# Altium PCB FMC_ADC_130M_16B_4CHv4.PcbDoc (part 8 of 8)
Units mm, origin at the board's own origin, x right, y up, seen from the top; angles counter-clockwise.
Board outline 76.78 x 69 mm, 8 copper layers (Top Layer, GND1, L3, GND2, L5, GND3, POWER, Bottom Layer), stack 1.329 mm thick; 397 components, 449 nets, 2112 pads, 1765 vias.
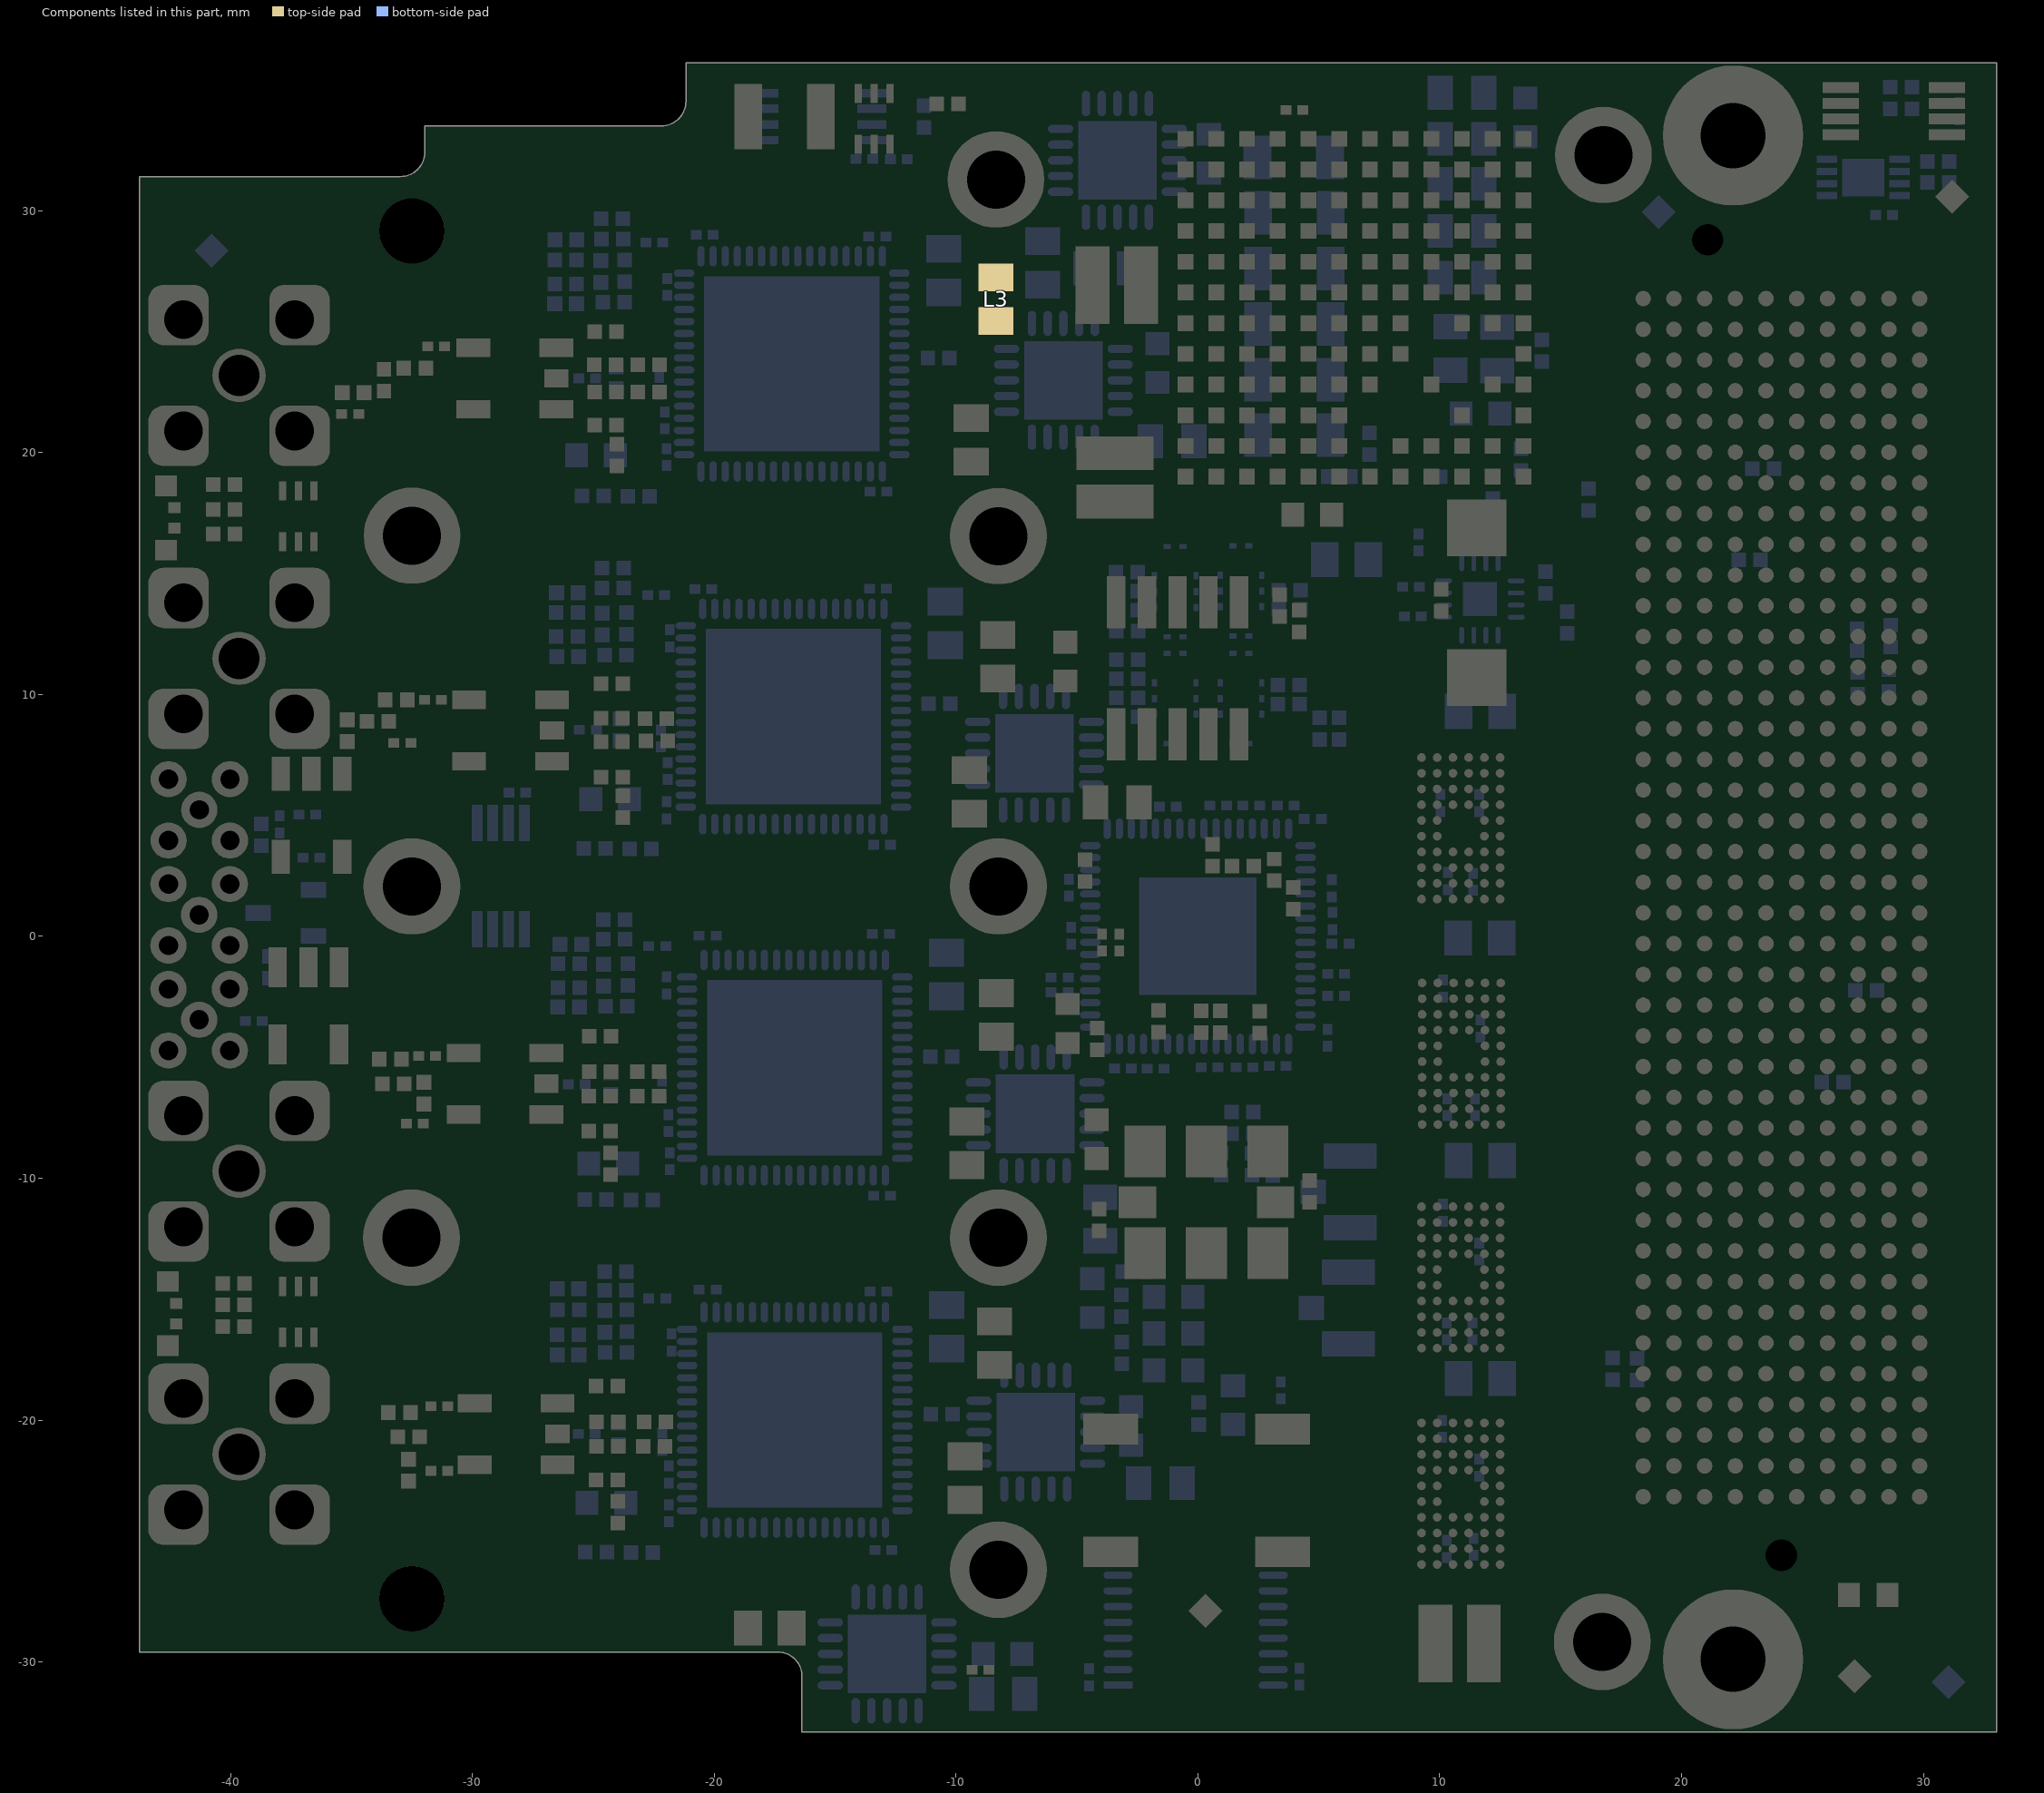
[diagram p14: the components of this part, seen from the top]

## Other copper (continued)
L3:
  pour cut-out: -43.434,27.5 -35.2,27.5 -35.2,18.791 -43.434,18.791
  pour cut-out: -43.434,15.8 -35.2,15.8 -35.2,7.091 -43.434,7.091
  pour cut-out: -43.434,-5.4 -35.2,-5.4 -35.2,-14.109 -43.434,-14.109
  pour cut-out: -43.434,-17.1 -35.2,-17.1 -35.2,-25.809 -43.434,-25.809
  pour cut-out: -39.653,24.193 cw(c-39.653,23.153) -38.917,23.888 -38.914,23.886 cw(c-39.522,23.279) -38.663,23.279 -38.663,23.105 cw(c-39.53,23.105) -38.917,22.491 cw(c-39.653,23.227) -39.653,22.187 -39.762,22.187 cw(c-39.762,22.967) -40.314,22.415 -40.411,22.512 cw(c-39.847,23.076) -40.644,23.076 -40.644,23.178 cw(c-39.604,23.178) -40.339,23.914 cw(c-39.665,23.239) -39.665,24.193
  pour cut-out: -39.653,12.493 cw(c-39.653,11.453) -38.917,12.188 -38.914,12.186 cw(c-39.522,11.579) -38.663,11.579 -38.663,11.405 cw(c-39.53,11.405) -38.917,10.791 cw(c-39.653,11.527) -39.653,10.487 -39.762,10.487 cw(c-39.762,11.267) -40.314,10.715 -40.411,10.812 cw(c-39.847,11.376) -40.644,11.376 -40.644,11.478 cw(c-39.604,11.478) -40.339,12.214 cw(c-39.665,11.539) -39.665,12.493
  pour cut-out: -39.653,-8.707 cw(c-39.653,-9.747) -38.917,-9.012 -38.914,-9.014 cw(c-39.522,-9.621) -38.663,-9.621 -38.663,-9.795 cw(c-39.53,-9.795) -38.917,-10.409 cw(c-39.653,-9.673) -39.653,-10.713 -39.762,-10.713 cw(c-39.762,-9.933) -40.314,-10.485 -40.411,-10.388 cw(c-39.847,-9.824) -40.644,-9.824 -40.644,-9.722 cw(c-39.604,-9.722) -40.339,-8.986 cw(c-39.665,-9.661) -39.665,-8.707
  pour cut-out: -39.653,-20.407 cw(c-39.653,-21.447) -38.917,-20.712 -38.914,-20.714 cw(c-39.522,-21.321) -38.663,-21.321 -38.663,-21.495 cw(c-39.53,-21.495) -38.917,-22.109 cw(c-39.653,-21.373) -39.653,-22.413 -39.762,-22.413 cw(c-39.762,-21.633) -40.314,-22.185 -40.411,-22.088 cw(c-39.847,-21.524) -40.644,-21.524 -40.644,-21.422 cw(c-39.604,-21.422) -40.339,-20.686 cw(c-39.665,-21.361) -39.665,-20.407
Bottom Layer:
  rectangle net GND: 1.196,11.711 2.33,12.393
  rectangle net GND: -1.48,11.688 -0.371,12.408
  rectangle net GND: -1.768,15.779 -0.391,16.051
  rectangle net GND: 1.288,15.689 2.27,16.118
  rectangle net P4V0: 1.168,17.297 3.15,19.914
  rectangle net GND: -0.305,19.329 1.016,20.117
  rectangle net P4V0: -2.972,26.921 -1.524,28.804
  rectangle net P1V8: -10.897,-3.48 -10.058,-2.997
  rectangle net NetC19C_2: -10.947,-1.702 -9.906,-1.168
  rectangle net NetC97_2: -10.516,-9.195 -9.754,-5.969
  rectangle net P1V8: -10.846,-19.177 -10.058,-16.891
  rectangle net P1V8: -10.744,10.312 -9.525,12.065
  rectangle net P1V8: -11.735,24.968 -9.779,27.102
  rectangle net NetC19A_2: -12.471,28.62 -10.185,29.845
  rectangle net NetC19A_2: -13.106,17.374 -12.268,18.39
  rectangle net NetC19A_2: -13.589,29.312 -12.624,29.82
  rectangle net NetC77_2: -10.109,21.539 -8.611,23.19
  rectangle net NetC77_2: -10.135,20.828 -8.611,21.539
  rectangle net NetC77_2: -10.135,20.447 -6.68,20.828
  rectangle net NetC77_2: -9.296,23.063 -8.611,24.994
  rectangle net P4V0: 1.168,19.914 3.683,33.477
  rectangle net GND: 4.166,19.685 6.629,33.477
  rectangle net P12V0: 10.744,26.086 13.64,33.503
  rectangle net GND: 8.712,26.213 10.338,34.95
  rectangle net P12V0: 11.252,33.401 12.319,34.925
  rectangle net P4V0_2: -5.563,-11.608 -3.327,-10.211
  rectangle net P4V0_2: -5.969,-12.167 -5.004,-10.897
  rectangle net P4V0_2: -5.334,-24.308 -2.769,-22.809
  rectangle net P4V0_2: -4.623,-23.292 -2.667,-21.895
  rectangle net NetC91_2: -10.541,6.35 -9.906,9.144
  rectangle net GND: -1.265,11.695 -0.615,12.384
  rectangle net GND: 1.453,11.811 2.103,12.41
  rectangle net GND: 1.453,11.695 2.103,12.41
  rectangle net GND: -1.676,7.214 -0.615,7.965
  rectangle net GND: 1.453,7.163 2.032,7.965
  rectangle net NetC78_2: 3.124,14.961 4.877,15.621
  rectangle net P3V3_CLK: 7.493,15.215 8.509,16.713
  rectangle net P3V3_CLK: 3.302,11.227 5.867,11.76
  region net GND: -13.358,-25.806 -13.354,-25.81 -13.221,-25.81 -13.185,-25.773 -13.185,-25.557 -13.204,-25.538 -13.532,-25.538 -13.564,-25.57 -13.564,-25.719 -13.539,-25.743 -13.539,-25.744
  region net GND: -4.529,-29.83 -4.312,-29.83 -4.294,-29.848 -4.294,-30.075 -4.319,-30.101 -4.657,-30.101 -4.697,-30.06 -4.697,-29.836 -4.681,-29.82
  region net NetOSC2_4: 1.93,-10.317 1.931,-10.315 1.931,-10.051 2.085,-10.051 2.132,-10.098 2.123,-10.107 2.123,-10.177 2.119,-10.177 1.993,-10.302
  region net FUNCTION: -4.761,4.138 -4.72,4.097 -4.72,3.863 -4.487,3.863 -4.444,3.906 -4.444,4.004 -4.459,4.004 -4.652,4.197
  region net GND: -4.677,-0.345 -4.677,-0.542 -4.74,-0.542 -4.827,-0.456 -4.825,-0.454 -4.825,-0.289 -4.725,-0.289 -4.68,-0.334
  region net GND: -25.105,-23.841 -24.865,-23.841 -24.568,-24.137 -24.568,-24.328 -24.72,-24.328 -25.135,-23.914
  region net GND: -21.741,-22.378 -21.565,-22.378 -21.548,-22.396 -21.658,-22.506 -21.707,-22.506
  region net GND: -21.762,-7.848 -21.614,-7.848 -21.608,-7.853 -21.69,-7.935 -21.73,-7.935
  region net GND: -23.668,-10.381 -23.665,-10.384 -23.665,-10.646 -23.301,-10.646 -23.27,-10.615 -23.27,-10.384
  region net GND: -24.632,5.183 -24.632,5.134 -24.586,5.088 -24.586,4.978 -24.632,4.978 -24.667,4.943 -24.876,5.152 -24.876,5.201
  region net GND: -22.045,21.209 -22.044,21.21 -21.766,21.21 -21.772,21.204 -21.772,21.145 -21.827,21.145 -21.856,21.116
  region net GND: -2.996,24.289 -2.055,24.289 -1.939,24.405 -1.939,24.791 -2.104,24.957 -2.614,24.957 -2.869,24.702 -2.869,24.39
  region net RF5: -1.157,15.341 -1.029,15.341 -0.98,15.389 -0.98,15.459
  region net ADC1_CLK_P: -3.617,14.066 -3.623,14.061 -3.802,14.061 -3.841,14.1 -3.721,14.22 -3.638,14.22
  region: -27.635,23.089
  region: -27.635,23.089
  region: -27.635,23.089
  region: -27.635,23.089
  region net P3V3_ADC2: -20.504,13.821 -20.504,14.081 -20.591,14.168 -20.649,14.168 -20.649,13.842 -20.619,13.812 -20.616,13.815 -20.501,13.815
  region net SDA: 29.404,32.268 29.406,32.267 29.939,32.267 29.939,31.973 29.936,31.97 29.412,31.97
  region net SCL: 29.37,31.473 29.377,31.466 29.538,31.466 29.538,31.564 29.54,31.566 29.538,31.569 29.373,31.569 29.373,31.475 29.379,31.469
  region net GND: 6.409,-2.655 6.265,-2.655 6.223,-2.613 6.223,-2.563 6.364,-2.563 6.403,-2.603
  region net GND: 5.718,1.212 5.72,1.21 5.874,1.21 5.874,1.093 5.865,1.084 5.725,1.084 5.725,1.203 5.732,1.21
  region net GND: 9.319,16.795 9.319,17.065 9.23,17.154 8.987,17.154 8.919,17.086 8.919,16.834
  region net GND: 13.874,34.868 14.238,34.868 14.482,34.623 14.482,34.127 14.378,34.023 14.044,34.023 13.871,34.196 13.871,34.364
  region net GND: -5.394,25.422 -5.394,26.102 -5.711,26.42 -6.096,26.42 -6.218,26.298 -6.218,25.886 -6.035,25.703 -5.755,25.703 -5.709,25.657
GND1 (plane layer: these items are gaps in the copper):
  pour cut-out: -37.567,-7.01 -36.703,-6.452 -36.068,-5.004 -35.064,-4 -30,-4 -30.017,-4.017 -30.017,-8.509 -30.023,-8.509 -30.048,-8.534 -30.048,-9.449 -30.958,-9.449 -31.344,-9.835 -33.401,-9.835 -35.311,-7.925 -37.897,-7.772
  pour cut-out: -30.48,10.922 -30.053,10.518 -30.053,5.999 -30.048,5.994 -32.278,5.994 -33.599,7.315 -35.611,7.315 -36.093,7.798 -37.084,9.373 -38.049,9.576 -33.02,11.938
  pour cut-out: -33.452,12.598 -33.96,13.106 -38.379,13.386 -38.938,13.589 -39.649,13.716 -40.894,13.513 -41.504,12.929 -41.961,12.446 -42.037,11.455 -41.961,10.541 -41.427,10.033 -41.173,9.754 -40.742,9.449 -39.599,9.271 -38.887,9.373 -38.405,9.423 -38.049,9.576 -33.02,11.938
  pour cut-out: -33.426,-9.856 -33.426,-7.856 -37.897,-7.772 -38.512,-7.95 -38.443,-7.968 -38.887,-7.595 -39.624,-7.518 -40.284,-7.569 -40.869,-7.747 -41.25,-8.052 -41.554,-8.357 -41.732,-8.992 -41.758,-9.652 -41.681,-10.389 -41.478,-10.998 -41.377,-11.176 -41.173,-11.303 -40.818,-11.608 -40.437,-11.786 -39.624,-11.887 -38.887,-11.709 -38.459,-11.385 -37.956,-10.882 -33.884,-10.882
  pour cut-out: -33.528,-22.657 -33.579,-18.339 -37.871,-19.05 -40.234,-19.304 -40.837,-19.677 -41.339,-20.179 -41.58,-20.777 -41.605,-21.412 -41.554,-22.022 -41.339,-22.593 -41.327,-22.593 -40.825,-23.095 -40.411,-23.393 -39.649,-23.546 -39.014,-23.419 -38.53,-23.095 -38.027,-22.591 -33.955,-22.591
  pour cut-out: -33.731,25.679 -33.757,21.615 -35.738,21.488 -37.541,21.488 -38.176,21.336 -39.003,20.955 -39.866,20.955 -40.894,21.184 -41.58,21.692 -41.935,22.403 -41.961,23.165 -41.91,23.952 -41.605,24.613 -41.427,24.816 -41.072,25.095 -40.208,25.425 -38.913,25.4 -38.075,25.298 -35.814,25.527
  pour cut-out: -33.731,25.679 -32.766,25.4 -28.194,25.4 -26.122,25.598 -23.622,25.598 -20.701,24.663 -20.701,21.412 -23.622,20.598 -32.122,20.598 -33.757,21.615
  pour cut-out: -33.553,9.518 -31.053,9.518 -30.48,10.922 -28.194,10.922 -26.053,11.018 -23.553,11.018 -20.632,10.084 -20.625,6.96 -23.553,6.018 -32.053,6.018 -33.553,7.518
  pour cut-out: -33.579,-18.339 -32.258,-18.034 -27.94,-18.034 -25.997,-18.065 -23.497,-18.065 -20.576,-18.999 -20.574,-22.327 -23.497,-23.065 -31.997,-23.065 -33.528,-22.657
  pour cut-out: -33.5,-5 -31,-5 -30,-4 -26.5,-4 -26,-3.5 -23.5,-3.5 -20.579,-4.434 -20.599,-7.671 -23.5,-8.5 -32,-8.5 -33.5,-7
  lines w0.203: -1.448,36.11 -1.448,18.186 -0.226,16.965 8.087,16.965 9.08,17.958 ; 14.376,26.467 14.402,26.441 14.402,17.882
  lines w0.254: 9.08,17.958 14.349,17.958 14.386,17.995
GND3 (plane layer: these items are gaps in the copper):
  lines w0.203: -1.473,35.865 -1.473,18.263 -0.224,17.013 8.088,17.013 9.083,18.009 ; 14.402,17.907 14.402,26.467
  lines w0.254: -0.127,20.447 0,20.32 ; 9.083,18.009 14.332,18.009 14.398,18.074
GND2 (plane layer: these items are gaps in the copper):
  lines w0.203: -1.448,35.738 -1.448,18.212 -0.195,16.959 8.054,16.959 9.079,17.983 ; 14.402,17.882 14.402,26.391
  lines w0.254: 9.079,17.983 14.356,17.983 14.422,18.05
POWER (plane layer: these items are gaps in the copper):
  lines w0.203: -18.263,-26.289 -18.263,-29.413 -18.085,-29.59 -17.372,-29.59 ; -13.716,17.323 -13.716,27.813 -13.716,29.794 -13.157,30.353 -11.1,30.353 -10.592,29.845 -10.592,28.016 -11.836,26.772 -11.836,17.247 -13.64,17.247 -25.84,17.247 -26.365,17.772 -26.365,18.872 -24.917,20.32 -23.419,20.32 -23.114,20.625 -23.114,29.134 -20.447,31.801 -10.744,31.801 ; -13.647,2.743 -13.647,13.233 -13.647,15.215 -13.088,15.773 -11.031,15.773 -10.523,15.265 -10.523,13.437 -11.767,12.192 -11.767,2.667 -13.571,2.667 -25.771,2.667 -26.296,3.192 -26.296,4.293 -24.848,5.74 -23.35,5.74 -23.045,6.045 -23.045,14.554 -20.378,17.221 -10.675,17.221 -7.493,14.039 -7.493,12.268 -8.433,11.328 -8.897,11.328 -9.964,12.395 -9.964,12.827 -10.523,13.386 ; -13.594,-11.775 -13.594,-1.285 -13.594,0.697 -13.035,1.255 -10.978,1.255 -9.728,0.006 -9.728,-1.508 -11.715,-3.494 -11.715,-11.851 -13.518,-11.851 -25.718,-11.851 -26.243,-11.326 -26.243,-10.225 -24.796,-8.778 -23.297,-8.778 -22.992,-8.473 -22.992,0.036 -20.325,2.703 -10.622,2.703 -7.168,-0.751 ; -13.591,-26.264 -25.868,-26.264 -26.241,-25.891 -26.241,-24.79 -24.793,-23.343 -23.294,-23.343 -22.989,-23.038 -22.989,-14.529 -20.322,-11.862 -10.62,-11.862 -7.366,-15.115 -7.366,-17.272 -7.849,-17.755 -8.842,-17.755 -9.908,-16.688 -9.908,-16.256 -10.467,-15.697 ; -13.259,-32.766 -13.259,-29.591 -12.522,-28.854 -4.674,-28.854 0.94,-28.854 0.991,-28.804 ; -10.592,28.042 -10.592,27.965 -10.033,27.407 -10.033,26.975 -8.966,25.908 -7.569,25.908 -7.264,26.213 -7.264,28.321 -7.29,28.346 ; -9.911,-1.691 -9.911,-2.738 -9.46,-3.19 -7.447,-3.19 -7.143,-2.885 -7.143,-0.777 ; -7.29,20.904 -3.023,20.904 -2.464,20.345 -2.464,18.212 -1.245,16.993 -0.711,16.993 2.032,14.249 5.105,14.249 6.502,12.852 9.677,12.852 11.989,10.541 ; -5.944,-10.389 -5.944,-1.6 -6.426,-1.118 -6.426,4.039 -4.953,5.512 -4.953,11.633 -5.766,12.446 -5.766,17.831 -7.29,19.355 -7.29,20.32 -7.29,28.346 ; -5.944,-10.16 -5.944,-10.846 -6.145,-11.047 -6.145,-12.32 -5.817,-12.648 -5.817,-19.152 -6.629,-19.964 -6.629,-23.876 -5.56,-24.946 -3.965,-24.946 ; -5.944,-7.264 -3.962,-7.264 -3.175,-8.052 -3.175,-11.506 -4.166,-12.497 -4.166,-20.701 -3.759,-21.107 -3.759,-21.133 -3.404,-21.488 3.937,-21.488 ; -5.74,15.418 -3.2,15.418 -2.007,14.224 -0.102,14.224 1.88,12.243 4.902,12.243 5.258,11.887 5.258,7.772 7.214,5.817 7.214,2.337 7.214,-4.039 5.029,-6.223 5.029,-13.691 5.029,-20.396 3.937,-21.488 ; -5.483,-24.946 -3.965,-24.946 ; -3.099,34.392 -3.099,22.504 -1.067,20.472 -1.067,19.406 2.413,15.926 4.75,15.926 ; 4.42,-21.006 3.937,-21.488 ; 4.674,14.249 4.674,17.838 5.48,18.645 9.703,18.645 ; 9.703,34.468 9.703,15.113 9.931,14.884 14.054,14.884 14.148,14.979 14.148,17.348 14.148,23.698 18.009,27.559 24.359,27.559 24.74,27.178 24.74,24.359 24.536,24.155 18.999,24.155 17.145,22.301 17.145,14.732 17.145,-23.52 11.328,-29.337 ; 11.659,-32.614 11.641,-32.596 11.641,-29.65 11.328,-29.337 ; 11.963,8.763 10.439,8.763 9.703,8.026 9.703,-21.565 8.001,-23.266 -2.286,-23.266 -3.965,-24.946 ; 14.148,16.358 14.148,12.7 11.989,10.541 ; 24.74,27.076 25.476,27.813 27.254,27.813 27.762,27.305 27.762,26.848 27.762,24.155 27.305,23.698 27.102,23.495 27.102,19.66 27.584,19.177 27.838,19.177 28.575,19.177 29.261,19.863 29.261,22.2 29.82,22.758 29.82,28.905 28.219,30.505 18.669,30.505 16.154,33.02 16.154,33.655 15.342,34.468 -8.077,34.468 -10.744,31.801 ; -10.744,31.801 -7.29,28.346 ; 11.328,-29.337 7.214,-29.337 5.69,-29.337 3.683,-31.344 1.651,-31.344 0.991,-30.683 0.991,-28.778 2.845,-26.924 5.74,-26.924 11.328,-26.924 11.989,-26.264 11.989,10.541 ; -13.591,-26.34 -13.253,-26.678 -11.974,-26.678 -11.712,-26.416 -11.712,-16.891 -10.467,-15.646 -10.467,-14.399 -11.557,-13.31 -13.033,-13.31 -13.591,-13.868 -13.591,-15.85 -13.591,-26.34
  lines w0.254: -43.227,-17.564 -41.618,-17.564 -40.325,-16.271 -40.325,-8.4 -37.835,-5.91 -37.835,6.458 -40.35,8.973 -40.35,24.5 -38.115,26.735 -31.568,26.735 -30.531,27.772 -30.531,30.952 -29.517,31.966 -20.612,31.966 -20.447,31.801 ; -6.401,2.489 -3.835,2.489 -2.007,4.318 -2.007,14.224

## Silkscreen, mask and mechanical layers (free items; w line width, h text height)
Top Overlay:
  lines w0.254: -43.18,-29.753 -32.497,-29.753 ccw(c-32.497,-27.386) -32.497,-25.019 -43.145,-25.019 ; -43.18,26.797 -32.497,26.797 ccw(c-32.497,29.164) -32.497,31.531 -43.145,31.531
Bottom Overlay:
  drawing of 104 lines, arcs and shapes, not listed
  text "http://www.ohwr.org/projects/fmc-adc-130m-16b-4cha" at 31.801,15.748 h1.52 r90
  text "Open Hardware Repository" at 30.023,9.423 h1.65 r90
  text "FMC ADC 130M 16B 4CH v4.0" at 18.085,8.001 h1.78 r90
  text "CLKN" at 4.14,-12.446 h0.76
  text "sirius" at 28.524,-14.338 h1 r90
  text "CLKP" at 4.089,-14.351 h0.76
  text "Laboratorio Nacional" at 26.289,-16.98 h1 r90
  text "de Luz Sincrotron" at 27.254,-17.081 h1 r90
Top Solder:
  drawing of 32 lines, arcs and shapes, not listed
Drill Guide:
  text "INPUT1" at -56.845,22.885 h1
  text "INPUT2" at -56.159,11.125 h1
  text "EXT CLK" at -55.499,4.801 h1
  text "TRIG" at -52.857,0.432 h1
  text "REF IN" at -55.093,-3.861 h1
  text "INPUT3" at -56.337,-9.931 h1
  text "INPUT4" at -56.921,-21.057 h1
Mechanical 1:
  the board outline again, w0.127
Mechanical 2:
  circle w0.1: c-32.494,29.154 r1.025
  circle w0.1: c-32.469,-27.395 r1.025
  lines w0.1: -59.472,0.889 -39.147,0.889 ; -46.969,30.104 -46.519,30.104 ; -46.969,30.105 -46.969,-28.345 -46.519,-28.345 ; -44.919,30.104 -43.469,30.104 ; -44.469,-25.145 -32.469,-25.145 cw(c-32.469,-27.395) -32.469,-29.645 -43.469,-29.645 -43.469,-28.345 -44.919,-28.345 ; -44.469,-25.12 -44.469,26.88 ; -44.469,26.904 -32.469,26.904 ; -43.469,30.105 -43.469,31.405 -32.469,31.405 cw(c-32.469,29.155) -32.469,26.905 ; -33.469,-27.395 -31.469,-27.395 ; -33.469,29.154 -31.469,29.154 ; -32.501,-27.369 -32.501,29.171 ; -32.497,-27.386 -58.547,-27.386 -58.547,29.164 -32.497,29.164 ; -32.469,-28.395 -32.469,-26.395 ; -32.469,28.154 -32.469,30.154 ; -46.519,-28.345 cw(c-45.719,-28.345) -44.919,-28.345 ; -46.519,-28.345 -46.519,30.105 ccw(c-45.719,30.105) -44.919,30.105 -44.919,-28.345
Mechanical 3:
  text "ADC 4CH" at -78.142,28.307 h1
  text "IN1" at -81.266,24.751 h1.4 r270
  text "LD2" at -77.583,16.623 h1.4
  text "IN2" at -81.266,12.94 h1.4 r270
  text "ext" at -75.424,5.193 h1.4
  text "CLK" at -75.424,3.288 h1.4
  text "TRIG" at -75.424,0.113 h1.4
  text "REF" at -75.424,-4.459 h1.4
  text "IN3" at -81.266,-8.396 h1.4 r270
  text "LD1" at -77.456,-16.397 h1.4
  text "IN4" at -81.266,-19.953 h1.4 r270
  text "130MHz,16b" at -79.92,-27.446 h1
Title Block:
  text ".Print_Scale" at -63.432,-102.38 h1.27
Mechanical 8:
  circle w0.1: c22.128,-29.89 r2.9
  circle w0.1: c22.128,33.11 r2.9
  circle w0.1: c22.128,-29.89 r1.35
  circle w0.1: c24.128,-25.59 r0.65
  circle w0.1: c22.128,33.11 r1.35
  circle w0.1: c-32.472,-27.39 r1.35
  lines w0.1: -43.472,-24.09 -12.472,-24.09 -12.472,25.91 -43.472,25.91 ; -33.472,-27.39 -32.472,-27.39 ; -32.472,-28.39 -32.472,-27.39 ; -32.472,-26.39 -32.472,-27.39 ; -31.472,-27.39 -32.472,-27.39 ; 21.128,-29.89 22.128,-29.89 ; 22.128,-30.89 22.128,-29.89 ; 22.128,-28.89 22.128,-29.89 ; 23.128,-29.89 22.128,-29.89 ; 23.128,-25.59 24.128,-25.59 ; 24.128,-26.59 24.128,-25.59 ; 24.128,-24.59 24.128,-25.59 ; 25.128,-25.59 24.128,-25.59 ; 28.828,-23.19 29.828,-23.19 ; 29.828,-24.19 29.828,-23.19 ; 29.828,-22.19 29.828,-23.19 ; 30.828,-23.19 29.828,-23.19
Mechanical 9:
  lines w0.1: -31.972,33.51 -31.972,32.41 cw(c-32.972,32.41) -32.972,31.41 -43.472,31.41 -43.472,-29.59 -28.672,-29.59 ; -25.472,-29.59 -17.372,-29.59 cw(c-17.372,-30.59) -16.372,-30.59 -16.372,-32.89 5.928,-32.89 ; -25.472,33.51 -22.172,33.51 ccw(c-22.172,34.51) -21.172,34.51 -21.172,36.11 5.928,36.11 ; 9.128,-32.89 33.028,-32.89 33.028,0.01 ; 9.128,36.11 33.028,36.11 33.028,3.21
Mechanical 10:
  lines w0.1: -48.472,-32.89 -43.472,-32.89 -43.472,-37.89 ; -48.472,31.41 -43.472,31.41 -43.472,36.41 ; -45.972,-29.59 -43.472,-29.59 -43.472,-32.09 ; -23.672,36.11 -21.172,36.11 -21.172,38.61 ; -18.872,-32.89 -16.372,-32.89 -16.372,-35.39 ; 38.028,-32.89 33.028,-32.89 ; 33.028,-32.89 33.028,-37.89 33.028,-32.89
Drill Drawing:
  lines w0.1: -33.972,32.41 -32.972,32.41 ; -32.972,31.41 -32.972,32.41 ; -32.972,33.41 -32.972,32.41 ; -31.972,32.41 -32.972,32.41 ; -23.172,34.51 -22.172,34.51 ; -22.172,33.51 -22.172,34.51 ; -22.172,35.51 -22.172,34.51 ; -21.172,34.51 -22.172,34.51 ; -18.372,-30.59 -17.372,-30.59 ; -17.372,-31.59 -17.372,-30.59 ; -17.372,-29.59 -17.372,-30.59 ; -16.372,-30.59 -17.372,-30.59
Mechanical 20:
  drawing of 259 lines, arcs and shapes, not listed

## Dimensions
33.028,36.11 to -43.962,26.31 on Drill Drawing
33.028,36.11 to 33.028,-32.89 on Drill Drawing
-32.972,31.41 to -43.756,-29.59 on Drill Drawing
-16.372,-32.89 to -43.472,-24.98 on Drill Drawing
-16.372,-30.59 to -43.472,-24.98 on Drill Drawing
-17.372,-30.59 to -14.024,-27.243 on Drill Drawing
-31.972,33.51 to -43.472,26.8 on Drill Drawing
-21.172,34.51 to -31.972,32.41 on Drill Drawing
-43.756,31.41 to -31.972,33.51 on Drill Drawing
-43.472,26.8 to -21.172,36.11 on Drill Drawing

## Text inside footprints (layer, text, board x,y; h text height)
IC8: Mechanical 14 "9" at 14.224,22.936 h0.4 r270; Mechanical 14 "1" at 14.224,33.096 h0.4 r270; Mechanical 14 "2" at 14.224,31.826 h0.4 r270; Mechanical 14 "3" at 14.224,30.556 h0.4 r270; Mechanical 14 "4" at 14.224,29.286 h0.4 r270; Mechanical 14 "5" at 14.224,28.016 h0.4 r270; Mechanical 14 "6" at 14.224,26.746 h0.4 r270; Mechanical 14 "7" at 14.224,25.476 h0.4 r270; Mechanical 14 "8" at 14.224,24.206 h0.4 r270; Mechanical 14 "10" at 14.224,21.666 h0.4 r270; Mechanical 14 "11" at 14.224,20.396 h0.4 r270; Mechanical 14 "12" at 14.224,19.126 h0.4 r270; Mechanical 14 "F" at 6.985,33.985 h0.4 r270; Mechanical 14 "E" at 8.255,33.985 h0.4 r270; Mechanical 14 "D" at 9.525,33.985 h0.4 r270; Mechanical 14 "G" at 5.715,33.985 h0.4 r270; Mechanical 14 "C" at 10.795,33.985 h0.4 r270; Mechanical 14 "B" at 12.065,33.985 h0.4 r270; Mechanical 14 "A" at 13.335,33.985 h0.4 r270; Mechanical 14 "H" at 4.445,33.985 h0.4 r270; Mechanical 14 "J" at 3.175,34.112 h0.4 r270; Mechanical 14 "K" at 1.88,34.039 h0.4 r270; Mechanical 14 "L" at 0.61,34.039 h0.4 r270; Mechanical 14 "M" at -0.66,34.039 h0.4 r270
J9: Top Overlay "40" at 14.839,25.548 h1; Top Overlay "1" at 16.055,-23.817 h1; Mechanical 11 "k" at 18.214,-28.389 h1; Mechanical 11 "j" at 19.357,-28.262 h1; Mechanical 11 "g" at 21.897,-28.262 h1; Mechanical 11 "h" at 20.572,-28.372 h1; Mechanical 11 "f" at 23.167,-28.516 h1; Mechanical 11 "a" at 29.589,-28.372 h1; Mechanical 11 "b" at 28.319,-28.372 h1; Mechanical 11 "c" at 27.049,-28.372 h1; Mechanical 11 "d" at 25.673,-28.389 h1; Mechanical 11 "e" at 24.435,-28.349 h1; Mechanical 14 "a" at 29.589,-28.372 h1; Mechanical 14 "b" at 28.319,-28.372 h1; Mechanical 14 "c" at 27.049,-28.372 h1; Mechanical 14 "d" at 25.673,-28.389 h1; Mechanical 14 "e" at 24.435,-28.349 h1; Mechanical 14 "f" at 23.167,-28.516 h1; Mechanical 14 "h" at 20.572,-28.372 h1; Mechanical 14 "g" at 21.897,-28.262 h1; Mechanical 14 "j" at 19.357,-28.262 h1; Mechanical 14 "k" at 18.214,-28.389 h1; Mechanical 14 "40" at 17.016,28.905 h1 r270; Mechanical 14 "1" at 16.055,-23.817 h1
LD1: Mechanical 8 "C" at -41.271,-16.196 h0.5 r90
LD2: Mechanical 8 "C" at -41.347,16.697 h0.5 r90